# KiCad board oibus-mini-CCC_PANEL.kicad_pcb (continued)
## Routing (per net, layer and track width the routed paths; a pad name or vN(x,y) marks a point on that pad's centre or on a via; arc(x,y) is an arc through that point) (continued)
VBUS: length 1024
  Top w0.2: U10#2.5 45.8,13.11 45.8,13.61 ; 43.08,13.86 43.03,13.81 J2#2.1 ; U10#3.5 82.8,13.11 82.8,13.61 ; 80.08,13.86 80.03,13.81 J2#3.1 ; 117.08,13.86 117.03,13.81 J2#4.1 ; U10#4.5 119.8,13.11 119.8,13.61 ; U10#5.5 156.8,13.11 156.8,13.61 ; 154.08,13.86 154.03,13.81 J2#5.1 ; U10#6.5 193.8,13.11 193.8,13.61 ; 191.08,13.86 191.03,13.81 J2#6.1 ; 228.08,13.86 228.03,13.81 J2#8.1 ; U10#8.5 230.8,13.11 230.8,13.61 ; U10#7.5 267.8,13.11 267.8,13.61 ; 265.08,13.86 265.03,13.81 J2#7.1 ; U10#9.5 8.8,79.11 8.8,79.61 ; 6.08,79.86 6.03,79.81 J2#9.1 ; U10#11.5 82.8,79.11 82.8,79.61 ; 80.08,79.86 80.03,79.81 J2#11.1 ; 43.08,79.86 43.03,79.81 J2#13.1 ; U10#13.5 45.8,79.11 45.8,79.61 ; U10#12.5 119.8,79.11 119.8,79.61 ; 117.08,79.86 117.03,79.81 J2#12.1 ; 154.08,79.86 154.03,79.81 J2#14.1 ; U10#14.5 156.8,79.11 156.8,79.61 ; U10#10.5 193.8,79.11 193.8,79.61 ; 191.08,79.86 191.03,79.81 J2#10.1 ; U10#16.5 230.8,79.11 230.8,79.61 ; 228.08,79.86 228.03,79.81 J2#16.1 ; U10#15.5 267.8,79.11 267.8,79.61 ; 265.08,79.86 265.03,79.81 J2#15.1 ; U10#24.5 8.8,211.11 8.8,211.61 ; 6.08,211.86 6.03,211.81 J2#24.1 ; U10#27.5 82.8,211.11 82.8,211.61 ; 80.08,211.86 80.03,211.81 J2#27.1 ; 43.08,211.86 43.03,211.81 J2#29.1 ; U10#29.5 45.8,211.11 45.8,211.61 ; U10#28.5 119.8,211.11 119.8,211.61 ; U10#30.5 156.8,211.11 156.8,211.61 ; 154.08,211.86 154.03,211.81 J2#30.1 ; J2#28.1 117.03,211.81 117.08,211.86 ; U10#17.5 8.8,145.11 8.8,145.61 ; 6.08,145.86 6.03,145.81 J2#17.1 ; U10#19.5 82.8,145.11 82.8,145.61 ; 80.08,145.86 80.03,145.81 J2#19.1 ; 43.08,145.86 43.03,145.81 J2#21.1 ; U10#21.5 45.8,145.11 45.8,145.61 ; U10#20.5 119.8,145.11 119.8,145.61 ; 117.08,145.86 117.03,145.81 J2#20.1 ; 154.08,145.86 154.03,145.81 J2#22.1 ; U10#22.5 156.8,145.11 156.8,145.61 ; U10#18.5 193.8,145.11 193.8,145.61 ; 191.08,145.86 191.03,145.81 J2#18.1 ; U10#25.5 230.8,145.11 230.8,145.61 ; 228.08,145.86 228.03,145.81 J2#25.1 ; U10#23.5 267.8,145.11 267.8,145.61 ; 265.08,145.86 265.03,145.81 J2#23.1 ; U10#26.5 193.8,211.11 193.8,211.61 ; 191.08,211.86 191.03,211.81 J2#26.1 ; 228.08,211.86 228.03,211.81 J2#32.1 ; U10#32.5 230.8,211.11 230.8,211.61 ; 265.08,211.86 265.03,211.81 J2#31.1 ; U10#31.5 267.8,211.11 267.8,211.61 ; 8.8,13.61 8.8,13.11 U10.5 ; 6.08,13.86 6.03,13.81 J2.1
  Top w0.6: v1(45.8,13.81) 45.8,13.61 46,13.81 46.3,13.81 46.6,13.51 46.6,11.64 46.25,11.28 R3#2.1 47.74,8.81 50.49,8.81 C7#2.1 ; 43.08,13.86 43.33,14.11 v1(43.9,14.11) ; 62.75,3.96 Q1#2.1 62.71,3.4 62.71,7.51 ; v1(82.8,13.81) 82.8,13.61 83,13.81 83.3,13.81 83.6,13.51 83.6,11.64 83.25,11.28 R3#4.1 84.74,8.81 87.49,8.81 C7#3.1 ; 80.08,13.86 80.33,14.11 v1(80.9,14.11) ; 99.75,3.96 Q1#3.1 99.71,3.4 99.71,7.51 ; 136.75,3.96 Q1#4.1 136.71,3.4 136.71,7.51 ; C7#4.1 124.49,8.81 121.74,8.81 R3#3.1 120.25,11.28 120.6,11.64 120.6,13.51 120.3,13.81 120,13.81 119.8,13.61 v1(119.8,13.81) ; 117.08,13.86 117.33,14.11 v1(117.9,14.11) ; v1(156.8,13.81) 156.8,13.61 157,13.81 157.3,13.81 157.6,13.51 157.6,11.64 157.25,11.28 R3#6.1 158.74,8.81 161.49,8.81 C7#5.1 ; 154.08,13.86 154.33,14.11 v1(154.9,14.11) ; 173.75,3.96 Q1#6.1 173.71,3.4 173.71,7.51 ; v1(193.8,13.81) 193.8,13.61 194,13.81 194.3,13.81 194.6,13.51 194.6,11.64 194.25,11.28 R3#5.1 195.74,8.81 198.49,8.81 C7#6.1 ; 191.08,13.86 191.33,14.11 v1(191.9,14.11) ; 210.75,3.96 Q1#5.1 210.71,3.4 210.71,7.51 ; 228.08,13.86 228.33,14.11 v1(228.9,14.11) ; 247.75,3.96 Q1#8.1 247.71,3.4 247.71,7.51 ; C7#8.1 235.49,8.81 232.74,8.81 R3#8.1 231.25,11.28 231.6,11.64 231.6,13.51 231.3,13.81 231,13.81 230.8,13.61 v1(230.8,13.81) ; v1(267.8,13.81) 267.8,13.61 268,13.81 268.3,13.81 268.6,13.51 268.6,11.64 268.25,11.28 R3#7.1 269.74,8.81 272.49,8.81 C7#7.1 ; 265.08,13.86 265.33,14.11 v1(265.9,14.11) ; 284.75,3.96 Q1#7.1 284.71,3.4 284.71,7.51 ; v1(8.8,79.81) 8.8,79.61 9,79.81 9.3,79.81 9.6,79.51 9.6,77.64 9.25,77.28 R3#10.1 10.74,74.81 13.49,74.81 C7#9.1 ; 6.08,79.86 6.33,80.11 v1(6.9,80.11) ; 25.75,69.96 Q1#9.1 25.71,69.4 25.71,73.51 ; v1(82.8,79.81) 82.8,79.61 83,79.81 83.3,79.81 83.6,79.51 83.6,77.64 83.25,77.28 R3#14.1 84.74,74.81 87.49,74.81 C7#11.1 ; 80.08,79.86 80.33,80.11 v1(80.9,80.11) ; 99.75,69.96 Q1#11.1 99.71,69.4 99.71,73.51 ; 62.75,69.96 Q1#12.1 62.71,69.4 62.71,73.51 ; C7#13.1 50.49,74.81 47.74,74.81 R3#9.1 46.25,77.28 46.6,77.64 46.6,79.51 46.3,79.81 46,79.81 45.8,79.61 v1(45.8,79.81) ; 43.08,79.86 43.33,80.11 v1(43.9,80.11) ; v1(119.8,79.81) 119.8,79.61 120,79.81 120.3,79.81 120.6,79.51 120.6,77.64 120.25,77.28 R3#13.1 121.74,74.81 124.49,74.81 C7#12.1 ; 117.08,79.86 117.33,80.11 v1(117.9,80.11) ; 136.75,69.96 Q1#10.1 136.71,69.4 136.71,73.51 ; 154.08,79.86 154.33,80.11 v1(154.9,80.11) ; 173.75,69.96 Q1#14.1 173.71,69.4 173.71,73.51 ; C7#14.1 161.49,74.81 158.74,74.81 R3#12.1 157.25,77.28 157.6,77.64 157.6,79.51 157.3,79.81 157,79.81 156.8,79.61 v1(156.8,79.81) ; v1(193.8,79.81) 193.8,79.61 194,79.81 194.3,79.81 194.6,79.51 194.6,77.64 194.25,77.28 R3#11.1 195.74,74.81 198.49,74.81 C7#10.1 ; 191.08,79.86 191.33,80.11 v1(191.9,80.11) ; 210.75,69.96 Q1#13.1 210.71,69.4 210.71,73.51 ; v1(230.8,79.81) 230.8,79.61 231,79.81 231.3,79.81 231.6,79.51 231.6,77.64 231.25,77.28 R3#16.1 232.74,74.81 235.49,74.81 C7#16.1 ; 228.08,79.86 228.33,80.11 v1(228.9,80.11) ; 247.75,69.96 Q1#16.1 247.71,69.4 247.71,73.51 ; v1(267.8,79.81) 267.8,79.61 268,79.81 268.3,79.81 268.6,79.51 268.6,77.64 268.25,77.28 R3#15.1 269.74,74.81 272.49,74.81 C7#15.1 ; 265.08,79.86 265.33,80.11 v1(265.9,80.11) ; 284.75,69.96 Q1#15.1 284.71,69.4 284.71,73.51 ; v1(8.8,211.81) 8.8,211.61 9,211.81 9.3,211.81 9.6,211.51 9.6,209.64 9.25,209.28 R3#24.1 10.74,206.81 13.49,206.81 C7#23.1 ; 6.08,211.86 6.33,212.11 v1(6.9,212.11) ; 25.75,201.96 Q1#23.1 25.71,201.4 25.71,205.51 ; v1(82.8,211.81) 82.8,211.61 83,211.81 83.3,211.81 83.6,211.51 83.6,209.64 83.25,209.28 R3#30.1 84.74,206.81 87.49,206.81 C7#27.1 ; 80.08,211.86 80.33,212.11 v1(80.9,212.11) ; 99.75,201.96 Q1#27.1 99.71,201.4 99.71,205.51 ; C7#29.1 50.49,206.81 47.74,206.81 R3#21.1 46.25,209.28 46.6,209.64 46.6,211.51 46.3,211.81 46,211.81 45.8,211.61 v1(45.8,211.81) ; 62.75,201.96 Q1#28.1 62.71,201.4 62.71,205.51 ; 43.08,211.86 43.33,212.11 v1(43.9,212.11) ; v1(119.8,211.81) 119.8,211.61 120,211.81 120.3,211.81 120.6,211.51 120.6,209.64 120.25,209.28 R3#29.1 121.74,206.81 124.49,206.81 C7#28.1 ; 117.08,211.86 117.33,212.11 v1(117.9,212.11) ; v1(156.8,211.81) 156.8,211.61 157,211.81 157.3,211.81 157.6,211.51 157.6,209.64 157.25,209.28 R3#28.1 158.74,206.81 161.49,206.81 C7#30.1 ; 154.08,211.86 154.33,212.11 v1(154.9,212.11) ; 173.75,201.96 Q1#30.1 173.71,201.4 173.71,205.51 ; 136.75,201.96 Q1#26.1 136.71,201.4 136.71,205.51 ; v1(8.8,145.81) 8.8,145.61 9,145.81 9.3,145.81 9.6,145.51 9.6,143.64 9.25,143.28 R3#18.1 10.74,140.81 13.49,140.81 C7#17.1 ; 6.08,145.86 6.33,146.11 v1(6.9,146.11) ; 25.75,135.96 Q1#17.1 25.71,135.4 25.71,139.51 ; v1(82.8,145.81) 82.8,145.61 83,145.81 83.3,145.81 83.6,145.51 83.6,143.64 83.25,143.28 R3#23.1 84.74,140.81 87.49,140.81 C7#19.1 ; 80.08,145.86 80.33,146.11 v1(80.9,146.11) ; 99.75,135.96 Q1#19.1 99.71,135.4 99.71,139.51 ; 62.75,135.96 Q1#20.1 62.71,135.4 62.71,139.51 ; C7#21.1 50.49,140.81 47.74,140.81 R3#17.1 46.25,143.28 46.6,143.64 46.6,145.51 46.3,145.81 46,145.81 45.8,145.61 v1(45.8,145.81) ; 43.08,145.86 43.33,146.11 v1(43.9,146.11) ; v1(119.8,145.81) 119.8,145.61 120,145.81 120.3,145.81 120.6,145.51 120.6,143.64 120.25,143.28 R3#22.1 121.74,140.81 124.49,140.81 C7#20.1 ; 117.08,145.86 117.33,146.11 v1(117.9,146.11) ; 136.75,135.96 Q1#18.1 136.71,135.4 136.71,139.51 ; 154.08,145.86 154.33,146.11 v1(154.9,146.11) ; 173.75,135.96 Q1#22.1 173.71,135.4 173.71,139.51 ; C7#22.1 161.49,140.81 158.74,140.81 R3#20.1 157.25,143.28 157.6,143.64 157.6,145.51 157.3,145.81 157,145.81 156.8,145.61 v1(156.8,145.81) ; v1(193.8,145.81) 193.8,145.61 194,145.81 194.3,145.81 194.6,145.51 194.6,143.64 194.25,143.28 R3#19.1 195.74,140.81 198.49,140.81 C7#18.1 ; 191.08,145.86 191.33,146.11 v1(191.9,146.11) ; 210.75,135.96 Q1#21.1 210.71,135.4 210.71,139.51 ; v1(230.8,145.81) 230.8,145.61 231,145.81 231.3,145.81 231.6,145.51 231.6,143.64 231.25,143.28 R3#26.1 232.74,140.81 235.49,140.81 C7#25.1 ; 228.08,145.86 228.33,146.11 v1(228.9,146.11) ; 247.75,135.96 Q1#25.1 247.71,135.4 247.71,139.51 ; v1(267.8,145.81) 267.8,145.61 268,145.81 268.3,145.81 268.6,145.51 268.6,143.64 268.25,143.28 R3#25.1 269.74,140.81 272.49,140.81 C7#24.1 ; 265.08,145.86 265.33,146.11 v1(265.9,146.11) ; 284.75,135.96 Q1#24.1 284.71,135.4 284.71,139.51 ; v1(193.8,211.81) 193.8,211.61 194,211.81 194.3,211.81 194.6,211.51 194.6,209.64 194.25,209.28 R3#27.1 195.74,206.81 198.49,206.81 C7#26.1 ; 191.08,211.86 191.33,212.11 v1(191.9,212.11) ; 210.75,201.96 Q1#29.1 210.71,201.4 210.71,205.51 ; 228.08,211.86 228.33,212.11 v1(228.9,212.11) ; 247.75,201.96 Q1#32.1 247.71,201.4 247.71,205.51 ; C7#32.1 235.49,206.81 232.74,206.81 R3#32.1 231.25,209.28 231.6,209.64 231.6,211.51 231.3,211.81 231,211.81 230.8,211.61 v1(230.8,211.81) ; 284.75,201.96 Q1#31.1 284.71,201.4 284.71,205.51 ; C7#31.1 272.49,206.81 269.74,206.81 R3#31.1 268.25,209.28 268.6,209.64 268.6,211.51 268.3,211.81 268,211.81 267.8,211.61 v1(267.8,211.81) ; 265.08,211.86 265.33,212.11 v1(265.9,212.11) ; 6.08,13.86 6.33,14.11 v1(6.9,14.11) ; v1(8.8,13.81) 8.8,13.61 9,13.81 9.3,13.81 9.6,13.51 9.6,11.64 9.25,11.28 R3.1 10.74,8.81 13.49,8.81 C7.1 ; 25.71,7.51 25.71,3.4 Q1.1 25.75,3.96
  Top w0.8: 62.71,7.51 61.44,8.78 54.76,8.78 53.9,7.92 ; 51.56,7.76 53.6,7.76 ; 99.71,7.51 98.44,8.78 91.76,8.78 90.9,7.92 ; 88.56,7.76 90.6,7.76 ; 136.71,7.51 135.44,8.78 128.76,8.78 127.9,7.92 ; 125.56,7.76 127.6,7.76 ; 173.71,7.51 172.44,8.78 165.76,8.78 164.9,7.92 ; 162.56,7.76 164.6,7.76 ; 210.71,7.51 209.44,8.78 202.76,8.78 201.9,7.92 ; 199.56,7.76 201.6,7.76 ; 247.71,7.51 246.44,8.78 239.76,8.78 238.9,7.92 ; 236.56,7.76 238.6,7.76 ; 284.71,7.51 283.44,8.78 276.76,8.78 275.9,7.92 ; 273.56,7.76 275.6,7.76 ; 25.71,73.51 24.44,74.78 17.76,74.78 16.9,73.92 ; 14.56,73.76 16.6,73.76 ; 99.71,73.51 98.44,74.78 91.76,74.78 90.9,73.92 ; 88.56,73.76 90.6,73.76 ; 62.71,73.51 61.44,74.78 54.76,74.78 53.9,73.92 ; 51.56,73.76 53.6,73.76 ; 136.71,73.51 135.44,74.78 128.76,74.78 127.9,73.92 ; 125.56,73.76 127.6,73.76 ; 173.71,73.51 172.44,74.78 165.76,74.78 164.9,73.92 ; 162.56,73.76 164.6,73.76 ; 210.71,73.51 209.44,74.78 202.76,74.78 201.9,73.92 ; 199.56,73.76 201.6,73.76 ; 247.71,73.51 246.44,74.78 239.76,74.78 238.9,73.92 ; 236.56,73.76 238.6,73.76 ; 284.71,73.51 283.44,74.78 276.76,74.78 275.9,73.92 ; 273.56,73.76 275.6,73.76 ; 25.71,205.51 24.44,206.78 17.76,206.78 16.9,205.92 ; 14.56,205.76 16.6,205.76 ; 99.71,205.51 98.44,206.78 91.76,206.78 90.9,205.92 ; 88.56,205.76 90.6,205.76 ; 62.71,205.51 61.44,206.78 54.76,206.78 53.9,205.92 ; 51.56,205.76 53.6,205.76 ; 173.71,205.51 172.44,206.78 165.76,206.78 164.9,205.92 ; 162.56,205.76 164.6,205.76 ; 136.71,205.51 135.44,206.78 128.76,206.78 127.9,205.92 ; 125.56,205.76 127.6,205.76 ; 25.71,139.51 24.44,140.78 17.76,140.78 16.9,139.92 ; 14.56,139.76 16.6,139.76 ; 99.71,139.51 98.44,140.78 91.76,140.78 90.9,139.92 ; 88.56,139.76 90.6,139.76 ; 62.71,139.51 61.44,140.78 54.76,140.78 53.9,139.92 ; 51.56,139.76 53.6,139.76 ; 136.71,139.51 135.44,140.78 128.76,140.78 127.9,139.92 ; 125.56,139.76 127.6,139.76 ; 173.71,139.51 172.44,140.78 165.76,140.78 164.9,139.92 ; 162.56,139.76 164.6,139.76 ; 210.71,139.51 209.44,140.78 202.76,140.78 201.9,139.92 ; 199.56,139.76 201.6,139.76 ; 247.71,139.51 246.44,140.78 239.76,140.78 238.9,139.92 ; 236.56,139.76 238.6,139.76 ; 284.71,139.51 283.44,140.78 276.76,140.78 275.9,139.92 ; 273.56,139.76 275.6,139.76 ; 210.71,205.51 209.44,206.78 202.76,206.78 201.9,205.92 ; 199.56,205.76 201.6,205.76 ; 247.71,205.51 246.44,206.78 239.76,206.78 238.9,205.92 ; 236.56,205.76 238.6,205.76 ; 284.71,205.51 283.44,206.78 276.76,206.78 275.9,205.92 ; 273.56,205.76 275.6,205.76 ; 16.9,7.92 17.76,8.78 24.44,8.78 25.71,7.51 ; 14.56,7.76 16.6,7.76
  Bottom w0.6: v1(43.9,14.11) 44.1,13.91 45.7,13.91 ; v1(80.9,14.11) 81.1,13.91 82.7,13.91 ; v1(117.9,14.11) 118.1,13.91 119.7,13.91 ; v1(154.9,14.11) 155.1,13.91 156.7,13.91 ; v1(191.9,14.11) 192.1,13.91 193.7,13.91 ; v1(228.9,14.11) 229.1,13.91 230.7,13.91 ; v1(265.9,14.11) 266.1,13.91 267.7,13.91 ; v1(6.9,80.11) 7.1,79.91 8.7,79.91 ; v1(80.9,80.11) 81.1,79.91 82.7,79.91 ; v1(43.9,80.11) 44.1,79.91 45.7,79.91 ; v1(117.9,80.11) 118.1,79.91 119.7,79.91 ; v1(154.9,80.11) 155.1,79.91 156.7,79.91 ; v1(191.9,80.11) 192.1,79.91 193.7,79.91 ; v1(228.9,80.11) 229.1,79.91 230.7,79.91 ; v1(265.9,80.11) 266.1,79.91 267.7,79.91 ; v1(6.9,212.11) 7.1,211.91 8.7,211.91 ; v1(80.9,212.11) 81.1,211.91 82.7,211.91 ; v1(43.9,212.11) 44.1,211.91 45.7,211.91 ; v1(117.9,212.11) 118.1,211.91 119.7,211.91 ; v1(154.9,212.11) 155.1,211.91 156.7,211.91 ; v1(6.9,146.11) 7.1,145.91 8.7,145.91 ; v1(80.9,146.11) 81.1,145.91 82.7,145.91 ; v1(43.9,146.11) 44.1,145.91 45.7,145.91 ; v1(117.9,146.11) 118.1,145.91 119.7,145.91 ; v1(154.9,146.11) 155.1,145.91 156.7,145.91 ; v1(191.9,146.11) 192.1,145.91 193.7,145.91 ; v1(228.9,146.11) 229.1,145.91 230.7,145.91 ; v1(265.9,146.11) 266.1,145.91 267.7,145.91 ; v1(191.9,212.11) 192.1,211.91 193.7,211.91 ; v1(228.9,212.11) 229.1,211.91 230.7,211.91 ; v1(265.9,212.11) 266.1,211.91 267.7,211.91 ; 8.7,13.91 7.1,13.91 v1(6.9,14.11)
+BATT: length 1392.7
  Top w0.4: 55.22,7.71 U4#2.3 ; 92.22,7.71 U4#3.3 ; 129.22,7.71 U4#4.3 ; 166.22,7.71 U4#5.3 ; 203.22,7.71 U4#6.3 ; 240.22,7.71 U4#8.3 ; 277.22,7.71 U4#7.3 ; 18.22,73.71 U4#9.3 ; 92.22,73.71 U4#11.3 ; 55.22,73.71 U4#13.3 ; 129.22,73.71 U4#12.3 ; 166.22,73.71 U4#14.3 ; 203.22,73.71 U4#10.3 ; 277.22,73.71 U4#15.3 ; 240.22,73.71 U4#16.3 ; 18.22,205.71 U4#23.3 ; 92.22,205.71 U4#27.3 ; 55.22,205.71 U4#29.3 ; 129.22,205.71 U4#28.3 ; 166.22,205.71 U4#30.3 ; 18.22,139.71 U4#17.3 ; 92.22,139.71 U4#19.3 ; 55.22,139.71 U4#21.3 ; 129.22,139.71 U4#20.3 ; 166.22,139.71 U4#22.3 ; 203.22,139.71 U4#18.3 ; 277.22,139.71 U4#24.3 ; 240.22,139.71 U4#25.3 ; 203.22,205.71 U4#26.3 ; 240.22,205.71 U4#32.3 ; 277.22,205.71 U4#31.3 ; 18.22,7.71 U4.3
  Top w0.6: U4#2.3 57.99,7.71 58,7.7 59.85,7.7 R6#2.1 ; R6#2.1 61.04,6.51 ; R6#2.1 60.11,7.44 v4(61.23,7.44) 61.23,6.73 61.04,6.54 61.04,6.51 ; 61.04,6.51 61,6.47 61,3.21 Q1#2.2 ; v4(49.41,7.06) 48.64,6.3 46.49,6.3 44.6,4.41 41.8,4.41 ; U4#3.3 94.99,7.71 95,7.7 96.85,7.7 R6#3.1 ; R6#3.1 98.04,6.51 ; R6#3.1 97.11,7.44 v4(98.23,7.44) 98.23,6.73 98.04,6.54 98.04,6.51 ; 98.04,6.51 98,6.47 98,3.21 Q1#3.2 ; v4(86.41,7.06) 85.64,6.3 83.49,6.3 81.6,4.41 78.8,4.41 ; 115.8,4.41 118.6,4.41 120.49,6.3 122.64,6.3 v4(123.41,7.06) ; U4#4.3 131.99,7.71 132,7.7 133.85,7.7 R6#4.1 ; R6#4.1 135.04,6.51 ; R6#4.1 134.11,7.44 v4(135.23,7.44) 135.23,6.73 135.04,6.54 135.04,6.51 ; 135.04,6.51 135,6.47 135,3.21 Q1#4.2 ; U4#5.3 168.99,7.71 169,7.7 170.85,7.7 R6#6.1 ; R6#6.1 172.04,6.51 ; R6#6.1 171.11,7.44 v4(172.23,7.44) 172.23,6.73 172.04,6.54 172.04,6.51 ; 172.04,6.51 172,6.47 172,3.21 Q1#6.2 ; v4(160.41,7.06) 159.64,6.3 157.49,6.3 155.6,4.41 152.8,4.41 ; U4#6.3 205.99,7.71 206,7.7 207.85,7.7 R6#5.1 ; R6#5.1 209.04,6.51 ; R6#5.1 208.11,7.44 v4(209.23,7.44) 209.23,6.73 209.04,6.54 209.04,6.51 ; 209.04,6.51 209,6.47 209,3.21 Q1#5.2 ; v4(197.41,7.06) 196.64,6.3 194.49,6.3 192.6,4.41 189.8,4.41 ; U4#8.3 242.99,7.71 243,7.7 244.85,7.7 R6#8.1 ; R6#8.1 246.04,6.51 ; R6#8.1 245.11,7.44 v4(246.23,7.44) 246.23,6.73 246.04,6.54 246.04,6.51 ; 246.04,6.51 246,6.47 246,3.21 Q1#8.2 ; v4(234.41,7.06) 233.64,6.3 231.49,6.3 229.6,4.41 226.8,4.41 ; 263.8,4.41 266.6,4.41 268.49,6.3 270.64,6.3 v4(271.41,7.06) ; U4#7.3 279.99,7.71 280,7.7 281.85,7.7 R6#7.1 ; R6#7.1 283.04,6.51 ; R6#7.1 282.11,7.44 v4(283.23,7.44) 283.23,6.73 283.04,6.54 283.04,6.51 ; 283.04,6.51 283,6.47 283,3.21 Q1#7.2 ; U4#9.3 20.99,73.71 21,73.7 22.85,73.7 R6#9.1 ; R6#9.1 24.04,72.51 ; R6#9.1 23.11,73.44 v4(24.23,73.44) 24.23,72.73 24.04,72.54 24.04,72.51 ; 24.04,72.51 24,72.47 24,69.21 Q1#9.2 ; v4(12.41,73.06) 11.64,72.3 9.49,72.3 7.6,70.41 4.8,70.41 ; U4#11.3 94.99,73.71 95,73.7 96.85,73.7 R6#11.1 ; R6#11.1 98.04,72.51 ; R6#11.1 97.11,73.44 v4(98.23,73.44) 98.23,72.73 98.04,72.54 98.04,72.51 ; 98.04,72.51 98,72.47 98,69.21 Q1#11.2 ; v4(86.41,73.06) 85.64,72.3 83.49,72.3 81.6,70.41 78.8,70.41 ; 41.8,70.41 44.6,70.41 46.49,72.3 48.64,72.3 v4(49.41,73.06) ; U4#13.3 57.99,73.71 58,73.7 59.85,73.7 R6#12.1 ; R6#12.1 61.04,72.51 ; R6#12.1 60.11,73.44 v4(61.23,73.44) 61.23,72.73 61.04,72.54 61.04,72.51 ; 61.04,72.51 61,72.47 61,69.21 Q1#12.2 ; U4#12.3 131.99,73.71 132,73.7 133.85,73.7 R6#10.1 ; R6#10.1 135.04,72.51 ; R6#10.1 134.11,73.44 v4(135.23,73.44) 135.23,72.73 135.04,72.54 135.04,72.51 ; 135.04,72.51 135,72.47 135,69.21 Q1#10.2 ; v4(123.41,73.06) 122.64,72.3 120.49,72.3 118.6,70.41 115.8,70.41 ; U4#14.3 168.99,73.71 169,73.7 170.85,73.7 R6#14.1 ; R6#14.1 172.04,72.51 ; R6#14.1 171.11,73.44 v4(172.23,73.44) 172.23,72.73 172.04,72.54 172.04,72.51 ; 172.04,72.51 172,72.47 172,69.21 Q1#14.2 ; v4(160.41,73.06) 159.64,72.3 157.49,72.3 155.6,70.41 152.8,70.41 ; 189.8,70.41 192.6,70.41 194.49,72.3 196.64,72.3 v4(197.41,73.06) ; U4#10.3 205.99,73.71 206,73.7 207.85,73.7 R6#13.1 ; R6#13.1 209.04,72.51 ; R6#13.1 208.11,73.44 v4(209.23,73.44) 209.23,72.73 209.04,72.54 209.04,72.51 ; 209.04,72.51 209,72.47 209,69.21 Q1#13.2 ; U4#15.3 279.99,73.71 280,73.7 281.85,73.7 R6#15.1 ; R6#15.1 283.04,72.51 ; R6#15.1 282.11,73.44 v4(283.23,73.44) 283.23,72.73 283.04,72.54 283.04,72.51 ; 263.8,70.41 266.6,70.41 268.49,72.3 270.64,72.3 v4(271.41,73.06) ; U4#16.3 242.99,73.71 243,73.7 244.85,73.7 R6#16.1 ; R6#16.1 246.04,72.51 ; R6#16.1 245.11,73.44 v4(246.23,73.44) 246.23,72.73 246.04,72.54 246.04,72.51 ; 246.04,72.51 246,72.47 246,69.21 Q1#16.2 ; v4(234.41,73.06) 233.64,72.3 231.49,72.3 229.6,70.41 226.8,70.41 ; 283.04,72.51 283,72.47 283,69.21 Q1#15.2 ; Q1#23.2 24,201.21 24,204.47 24.04,204.51 ; 24.04,204.51 24.04,204.54 24.23,204.73 v4(24.23,205.44) 23.11,205.44 R6#23.1 ; 24.04,204.51 R6#23.1 ; v4(12.41,205.06) 11.64,204.3 9.49,204.3 7.6,202.41 4.8,202.41 ; U4#23.3 20.99,205.71 21,205.7 22.85,205.7 R6#23.1 ; U4#27.3 94.99,205.71 95,205.7 96.85,205.7 R6#27.1 ; R6#27.1 98.04,204.51 ; R6#27.1 97.11,205.44 v4(98.23,205.44) 98.23,204.73 98.04,204.54 98.04,204.51 ; 98.04,204.51 98,204.47 98,201.21 Q1#27.2 ; v4(86.41,205.06) 85.64,204.3 83.49,204.3 81.6,202.41 78.8,202.41 ; U4#29.3 57.99,205.71 58,205.7 59.85,205.7 R6#28.1 ; R6#28.1 61.04,204.51 ; R6#28.1 60.11,205.44 v4(61.23,205.44) 61.23,204.73 61.04,204.54 61.04,204.51 ; 61.04,204.51 61,204.47 61,201.21 Q1#28.2 ; v4(49.41,205.06) 48.64,204.3 46.49,204.3 44.6,202.41 41.8,202.41 ; 115.8,202.41 118.6,202.41 120.49,204.3 122.64,204.3 v4(123.41,205.06) ; Q1#26.2 135,201.21 135,204.47 135.04,204.51 ; 135.04,204.51 135.04,204.54 135.23,204.73 v4(135.23,205.44) 134.11,205.44 R6#26.1 ; 135.04,204.51 R6#26.1 ; U4#28.3 131.99,205.71 132,205.7 133.85,205.7 R6#26.1 ; U4#30.3 168.99,205.71 169,205.7 170.85,205.7 R6#30.1 ; R6#30.1 172.04,204.51 ; R6#30.1 171.11,205.44 v4(172.23,205.44) 172.23,204.73 172.04,204.54 172.04,204.51 ; 172.04,204.51 172,204.47 172,201.21 Q1#30.2 ; v4(160.41,205.06) 159.64,204.3 157.49,204.3 155.6,202.41 152.8,202.41 ; U4#17.3 20.99,139.71 21,139.7 22.85,139.7 R6#17.1 ; R6#17.1 24.04,138.51 ; R6#17.1 23.11,139.44 v4(24.23,139.44) 24.23,138.73 24.04,138.54 24.04,138.51 ; 24.04,138.51 24,138.47 24,135.21 Q1#17.2 ; v4(12.41,139.06) 11.64,138.3 9.49,138.3 7.6,136.41 4.8,136.41 ; U4#19.3 94.99,139.71 95,139.7 96.85,139.7 R6#19.1 ; R6#19.1 98.04,138.51 ; R6#19.1 97.11,139.44 v4(98.23,139.44) 98.23,138.73 98.04,138.54 98.04,138.51 ; 98.04,138.51 98,138.47 98,135.21 Q1#19.2 ; v4(86.41,139.06) 85.64,138.3 83.49,138.3 81.6,136.41 78.8,136.41 ; 41.8,136.41 44.6,136.41 46.49,138.3 48.64,138.3 v4(49.41,139.06) ; U4#21.3 57.99,139.71 58,139.7 59.85,139.7 R6#20.1 ; R6#20.1 61.04,138.51 ; R6#20.1 60.11,139.44 v4(61.23,139.44) 61.23,138.73 61.04,138.54 61.04,138.51 ; 61.04,138.51 61,138.47 61,135.21 Q1#20.2 ; U4#20.3 131.99,139.71 132,139.7 133.85,139.7 R6#18.1 ; R6#18.1 135.04,138.51 ; R6#18.1 134.11,139.44 v4(135.23,139.44) 135.23,138.73 135.04,138.54 135.04,138.51 ; 135.04,138.51 135,138.47 135,135.21 Q1#18.2 ; v4(123.41,139.06) 122.64,138.3 120.49,138.3 118.6,136.41 115.8,136.41 ; U4#22.3 168.99,139.71 169,139.7 170.85,139.7 R6#22.1 ; R6#22.1 172.04,138.51 ; R6#22.1 171.11,139.44 v4(172.23,139.44) 172.23,138.73 172.04,138.54 172.04,138.51 ; 172.04,138.51 172,138.47 172,135.21 Q1#22.2 ; v4(160.41,139.06) 159.64,138.3 157.49,138.3 155.6,136.41 152.8,136.41 ; 189.8,136.41 192.6,136.41 194.49,138.3 196.64,138.3 v4(197.41,139.06) ; U4#18.3 205.99,139.71 206,139.7 207.85,139.7 R6#21.1 ; R6#21.1 209.04,138.51 ; R6#21.1 208.11,139.44 v4(209.23,139.44) 209.23,138.73 209.04,138.54 209.04,138.51 ; 209.04,138.51 209,138.47 209,135.21 Q1#21.2 ; U4#24.3 279.99,139.71 280,139.7 281.85,139.7 R6#24.1 ; R6#24.1 283.04,138.51 ; R6#24.1 282.11,139.44 v4(283.23,139.44) 283.23,138.73 283.04,138.54 283.04,138.51 ; 263.8,136.41 266.6,136.41 268.49,138.3 270.64,138.3 v4(271.41,139.06) ; U4#25.3 242.99,139.71 243,139.7 244.85,139.7 R6#25.1 ; R6#25.1 246.04,138.51 ; R6#25.1 245.11,139.44 v4(246.23,139.44) 246.23,138.73 246.04,138.54 246.04,138.51 ; 246.04,138.51 246,138.47 246,135.21 Q1#25.2 ; v4(234.41,139.06) 233.64,138.3 231.49,138.3 229.6,136.41 226.8,136.41 ; 283.04,138.51 283,138.47 283,135.21 Q1#24.2 ; 209.04,204.51 209,204.47 209,201.21 Q1#29.2 ; 209.04,204.51 209.04,204.54 209.23,204.73 v4(209.23,205.44) 208.11,205.44 R6#29.1 ; 209.04,204.51 R6#29.1 ; v4(197.41,205.06) 196.64,204.3 194.49,204.3 192.6,202.41 189.8,202.41 ; U4#26.3 205.99,205.71 206,205.7 207.85,205.7 R6#29.1 ; v4(234.41,205.06) 233.64,204.3 231.49,204.3 229.6,202.41 226.8,202.41 ; U4#32.3 242.99,205.71 243,205.7 244.85,205.7 R6#32.1 ; R6#32.1 246.04,204.51 ; R6#32.1 245.11,205.44 v4(246.23,205.44) 246.23,204.73 246.04,204.54 246.04,204.51 ; 246.04,204.51 246,204.47 246,201.21 Q1#32.2 ; 263.8,202.41 266.6,202.41 268.49,204.3 270.64,204.3 v4(271.41,205.06) ; U4#31.3 279.99,205.71 280,205.7 281.85,205.7 R6#31.1 ; R6#31.1 283.04,204.51 ; R6#31.1 282.11,205.44 v4(283.23,205.44) 283.23,204.73 283.04,204.54 283.04,204.51 ; 283.04,204.51 283,204.47 283,201.21 Q1#31.2 ; 24.04,6.51 24,6.47 24,3.21 Q1.2 ; 24.04,6.51 24.04,6.54 24.23,6.73 v4(24.23,7.44) 23.11,7.44 R6.1 ; 24.04,6.51 R6.1 ; 4.8,4.41 7.6,4.41 9.49,6.3 11.64,6.3 v4(12.41,7.06) ; R6.1 22.85,7.7 21,7.7 20.99,7.71 U4.3
  Top w0.8: Q1#2.2 61.23,2.98 v4(61.23,7.44) ; BT1#2.1 41.2,5.01 41.8,4.41 ; Q1#3.2 98.23,2.98 v4(98.23,7.44) ; BT1#3.1 78.2,5.01 78.8,4.41 ; Q1#4.2 135.23,2.98 v4(135.23,7.44) ; BT1#4.1 115.2,5.01 115.8,4.41 ; Q1#6.2 172.23,2.98 v4(172.23,7.44) ; BT1#6.1 152.2,5.01 152.8,4.41 ; Q1#5.2 209.23,2.98 v4(209.23,7.44) ; BT1#5.1 189.2,5.01 189.8,4.41 ; Q1#8.2 246.23,2.98 v4(246.23,7.44) ; BT1#7.1 226.2,5.01 226.8,4.41 ; Q1#7.2 283.23,2.98 v4(283.23,7.44) ; BT1#8.1 263.2,5.01 263.8,4.41 ; Q1#9.2 24.23,68.98 v4(24.23,73.44) ; BT1#10.1 4.2,71.01 4.8,70.41 ; Q1#11.2 98.23,68.98 v4(98.23,73.44) ; BT1#12.1 78.2,71.01 78.8,70.41 ; Q1#12.2 61.23,68.98 v4(61.23,73.44) ; BT1#13.1 41.2,71.01 41.8,70.41 ; Q1#10.2 135.23,68.98 v4(135.23,73.44) ; BT1#11.1 115.2,71.01 115.8,70.41 ; Q1#14.2 172.23,68.98 v4(172.23,73.44) ; BT1#9.1 152.2,71.01 152.8,70.41 ; Q1#13.2 209.23,68.98 v4(209.23,73.44) ; BT1#14.1 189.2,71.01 189.8,70.41 ; Q1#16.2 246.23,68.98 v4(246.23,73.44) ; BT1#15.1 226.2,71.01 226.8,70.41 ; Q1#15.2 283.23,68.98 v4(283.23,73.44) ; BT1#16.1 263.2,71.01 263.8,70.41 ; Q1#23.2 24.23,200.98 v4(24.23,205.44) ; BT1#25.1 4.2,203.01 4.8,202.41 ; Q1#27.2 98.23,200.98 v4(98.23,205.44) ; BT1#28.1 78.2,203.01 78.8,202.41 ; Q1#28.2 61.23,200.98 v4(61.23,205.44) ; BT1#29.1 41.2,203.01 41.8,202.41 ; Q1#26.2 135.23,200.98 v4(135.23,205.44) ; BT1#27.1 115.2,203.01 115.8,202.41 ; Q1#30.2 172.23,200.98 v4(172.23,205.44) ; BT1#24.1 152.2,203.01 152.8,202.41 ; Q1#17.2 24.23,134.98 v4(24.23,139.44) ; BT1#18.1 4.2,137.01 4.8,136.41 ; Q1#19.2 98.23,134.98 v4(98.23,139.44) ; BT1#20.1 78.2,137.01 78.8,136.41 ; Q1#20.2 61.23,134.98 v4(61.23,139.44) ; BT1#21.1 41.2,137.01 41.8,136.41 ; Q1#18.2 135.23,134.98 v4(135.23,139.44) ; BT1#19.1 115.2,137.01 115.8,136.41 ; Q1#22.2 172.23,134.98 v4(172.23,139.44) ; BT1#17.1 152.2,137.01 152.8,136.41 ; Q1#21.2 209.23,134.98 v4(209.23,139.44) ; BT1#22.1 189.2,137.01 189.8,136.41 ; Q1#25.2 246.23,134.98 v4(246.23,139.44) ; BT1#23.1 226.2,137.01 226.8,136.41 ; Q1#24.2 283.23,134.98 v4(283.23,139.44) ; BT1#26.1 263.2,137.01 263.8,136.41 ; Q1#29.2 209.23,200.98 v4(209.23,205.44) ; BT1#30.1 189.2,203.01 189.8,202.41 ; v4(246.23,205.44) 246.23,200.98 Q1#32.2 ; BT1#31.1 226.2,203.01 226.8,202.41 ; Q1#31.2 283.23,200.98 v4(283.23,205.44) ; BT1#32.1 263.2,203.01 263.8,202.41 ; Q1.2 24.23,2.98 v4(24.23,7.44) ; 4.8,4.41 4.2,5.01 BT1.1
  Bottom w0.6: v4(49.41,7.06) 49.78,7.44 v4(61.23,7.44) ; v4(86.41,7.06) 86.78,7.44 v4(98.23,7.44) ; v4(123.41,7.06) 123.78,7.44 v4(135.23,7.44) ; v4(160.41,7.06) 160.78,7.44 v4(172.23,7.44) ; v4(197.41,7.06) 197.78,7.44 v4(209.23,7.44) ; v4(234.41,7.06) 234.78,7.44 v4(246.23,7.44) ; v4(271.41,7.06) 271.78,7.44 v4(283.23,7.44) ; v4(12.41,73.06) 12.78,73.44 v4(24.23,73.44) ; v4(86.41,73.06) 86.78,73.44 v4(98.23,73.44) ; v4(49.41,73.06) 49.78,73.44 v4(61.23,73.44) ; v4(123.41,73.06) 123.78,73.44 v4(135.23,73.44) ; v4(160.41,73.06) 160.78,73.44 v4(172.23,73.44) ; v4(197.41,73.06) 197.78,73.44 v4(209.23,73.44) ; v4(234.41,73.06) 234.78,73.44 v4(246.23,73.44) ; v4(271.41,73.06) 271.78,73.44 v4(283.23,73.44) ; v4(12.41,205.06) 12.78,205.44 v4(24.23,205.44) ; v4(86.41,205.06) 86.78,205.44 v4(98.23,205.44) ; v4(49.41,205.06) 49.78,205.44 v4(61.23,205.44) ; v4(123.41,205.06) 123.78,205.44 v4(135.23,205.44) ; v4(160.41,205.06) 160.78,205.44 v4(172.23,205.44) ; v4(12.41,139.06) 12.78,139.44 v4(24.23,139.44) ; v4(86.41,139.06) 86.78,139.44 v4(98.23,139.44) ; v4(49.41,139.06) 49.78,139.44 v4(61.23,139.44) ; v4(123.41,139.06) 123.78,139.44 v4(135.23,139.44) ; v4(160.41,139.06) 160.78,139.44 v4(172.23,139.44) ; v4(197.41,139.06) 197.78,139.44 v4(209.23,139.44) ; v4(234.41,139.06) 234.78,139.44 v4(246.23,139.44) ; v4(271.41,139.06) 271.78,139.44 v4(283.23,139.44) ; v4(197.41,205.06) 197.78,205.44 v4(209.23,205.44) ; v4(234.41,205.06) 234.78,205.44 v4(246.23,205.44) ; v4(271.41,205.06) 271.78,205.44 v4(283.23,205.44) ; v4(24.23,7.44) 12.78,7.44 v4(12.41,7.06)